# Altium PCB DIOT_Backplane.pcbdoc (part 9 of 11)
Units mm, origin at the board's own origin, x right, y up, seen from the top; angles counter-clockwise.
Board outline 304.8 x 128.5 mm, 14 copper layers (Top Layer, L2, L3GND, L4, L5GND, L6, L7GND, L8, L9GND, L10, L11GND, L12, L13GND, Bottom Layer), stack 4.06 mm thick; 141 components, 1224 nets, 5318 pads, 471 vias.
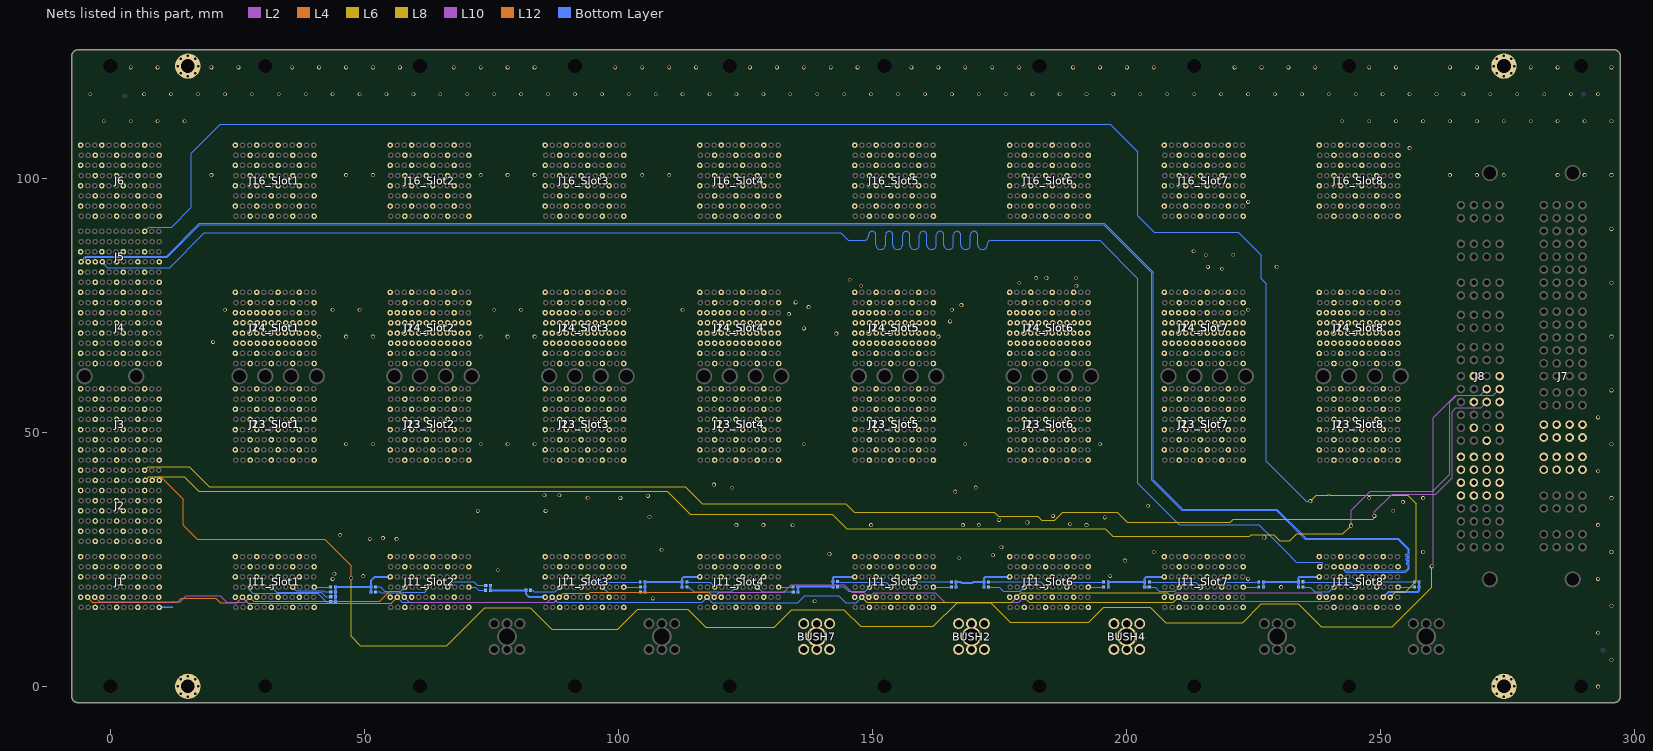
[diagram p21: the nets of this part, all layers, seen from the top]

## Via types
v1: diameter 0.75, hole 0.5, Top Layer to Bottom Layer, tented both sides, 429 vias
v2: diameter 0.85, hole 0.5, Top Layer to Bottom Layer, tented both sides, 32 vias
v3: diameter 1.3, hole 1, Top Layer to Bottom Layer, tented both sides, 10 vias

## Nets (pads, with @x,y where several pads share a name; then routed paths per layer and width w, separated by ;. In a path a pad name is that pad's centre, name@x,y a point inside that pad or via, vN(x,y) a via of type N, cw(c..) or ccw(c..) an arc to the next point about the centre after c; other vN are vias at no path point) (continued)
8_MGT_Rx_P: J5.D3 J11_Slot8.A5 | length 334.1
  Bottom Layer w0.15: J5.D3@-1.58,83.55 -1.006,82.976 -1.006,82.765 -0.667,82.426 11.171,82.426 11.668,82.426 18.486,89.244 143.809,89.244 145.28,87.773 148.077,87.773 148.277,87.773 ccw(c148.277,88.735) 149.239,88.735 149.239,88.841 cw(c149.949,88.841) 149.949,89.551 cw(c149.949,88.841) 150.659,88.841 150.659,86.957 ccw(c151.621,86.957) 151.621,85.995 ccw(c151.621,86.957) 152.582,86.957 152.582,88.841 cw(c153.292,88.841) 153.292,89.551 cw(c153.292,88.841) 154.002,88.841 154.002,86.957 ccw(c154.964,86.957) 154.964,85.995 ccw(c154.964,86.957) 155.925,86.957 155.925,88.841 cw(c156.635,88.841) 156.635,89.551 cw(c156.635,88.841) 157.345,88.841 157.345,86.957 ccw(c158.307,86.957) 158.307,85.995 ccw(c158.307,86.957) 159.269,86.957 159.269,88.841 cw(c159.979,88.841) 159.979,89.551 cw(c159.979,88.841) 160.689,88.841 160.689,86.957 ccw(c161.65,86.957) 161.65,85.995 ccw(c161.65,86.957) 162.612,86.957 162.612,88.841 cw(c163.322,88.841) 163.322,89.551 cw(c163.322,88.841) 164.032,88.841 164.032,86.957 ccw(c164.993,86.957) 164.993,85.995 ccw(c164.993,86.957) 165.955,86.957 165.955,88.841 cw(c166.665,88.841) 166.665,89.551 cw(c166.665,88.841) 167.375,88.841 167.375,86.957 ccw(c168.337,86.957) 168.337,85.995 ccw(c168.337,86.957) 169.298,86.957 169.298,88.841 cw(c170.008,88.841) 170.008,89.551 cw(c170.008,88.841) 170.718,88.841 170.718,86.957 ccw(c171.68,86.957) 171.68,85.995 ccw(c171.68,86.957) 172.641,86.957 172.641,87.063 cw(c173.351,87.063) 173.351,87.773 174.721,87.773 194.741,87.773 202.268,80.246 202.268,39.946 210.376,31.838 226.095,31.838 228.674,29.259 231.23,26.703 ; 231.23,26.703 233.47,24.463 238.474,24.463 238.634,24.303 238.634,24.124 J11_Slot8.A5@238.06,23.55
8_MGT_Tx_N: J5.B3 J11_Slot8.E5 | length 333.4
  Bottom Layer w0.15: J5.B3@-4.38,83.55 -4.954,84.124 -4.954,84.283 -4.779,84.458 11.118,84.458 11.222,84.458 17.633,90.87 195.545,90.87 204.998,81.416 204.998,40.572 210.937,34.633 211.041,34.633 229.524,34.632 234.786,29.37 235.237,28.919 253.436,28.919 255.442,26.912 255.442,26.712 255.442,26.233 cw(c255.24,26.233) 255.24,26.031 255.111,26.031 ccw(c255.111,25.829) 254.909,25.829 ccw(c255.111,25.829) 255.111,25.627 255.24,25.627 cw(c255.24,25.425) 255.442,25.425 cw(c255.24,25.425) 255.24,25.223 255.212,25.223 ccw(c255.212,25.021) 255.01,25.021 ccw(c255.212,25.021) 255.212,24.819 255.24,24.819 cw(c255.24,24.617) 255.442,24.617 cw(c255.24,24.617) 255.24,24.415 ccw(c255.24,24.213) 255.038,24.213 ccw(c255.24,24.213) 255.24,24.011 cw(c255.24,23.809) 255.442,23.809 255.442,23.404 255.442,23.255 254.919,22.731 243.279,22.731 243.122,22.888 243.122,23.012 J11_Slot8.E5@243.66,23.55
8_MGT_Tx_P: J5.A3 J11_Slot8.D5 | length 333.4
  Bottom Layer w0.15: J5.A3@-5.78,83.55 -5.206,84.124 -5.206,84.387 -4.884,84.71 11.118,84.71 17.529,91.121 195.649,91.121 205.25,81.52 205.25,40.676 211.042,34.884 229.628,34.884 234.891,29.622 235.342,29.171 253.54,29.171 255.694,27.017 255.694,26.712 255.694,24.017 255.694,23.151 255.023,22.48 243.175,22.48 242.871,22.784 242.871,22.939 J11_Slot8.D5@242.26,23.55
8_SERVMOD: J5.J6 J11_Slot8.K2 | length 349.5
  L8 w0.102: v1(236.211,36.461) 237.4,37.65 239.585,37.65 239.604,37.669 240.042,37.669 240.061,37.65 255.347,37.65 257.068,35.929 257.068,20.715 254.985,18.632 253.042,18.632 J11_Slot8.K2@251.96,17.55
  Bottom Layer w0.102: J5.J6@6.72,89.55 7.582,90.412 12.042,90.412 15.895,94.265 15.895,104.925 21.62,110.65 196.85,110.65 202.217,105.284 202.217,92.653 205.52,89.35 222.02,89.35 226.52,84.85 226.52,80.244 227.522,79.243 227.522,44.318 235.427,36.412 236.162,36.412 v1(236.211,36.461)
F_IO0: J2.K7 J8.B2 | length 346.8
  L10 w0.102: v1(260.065,23.61) 260.42,23.965 260.42,52.886 264.82,57.286 269.696,57.286 J8.B2@270.93,58.52
  L12 w0.102: J2.K7@8.22,40.55 8.923,41.253 9.911,41.253 11.9,39.264 14.32,36.844 14.32,31.688 17.089,28.919 42.201,28.919 47.391,23.729 v1(47.391,21.324)
  L6 w0.102: v1(47.391,21.324) 47.391,9.844 49.211,8.024 66.19,8.024 73.64,15.474 82.598,15.474 86.848,11.224 99.845,11.224 103.79,15.169 113.637,15.169 117.15,11.656 130.68,11.656 134.117,15.093 144.396,15.093 147.706,11.783 161.973,11.783 166.655,16.464 173.327,16.464 177.17,12.621 192.58,12.621 195.56,15.601 204.696,15.601 207.752,12.545 222.882,12.545 226.548,16.21 233.855,16.21 238.308,11.757 252.346,11.757 260.065,19.476 v1(260.065,23.61)
F_IO1: J2.J8 J8.B3 | length 288.4
  L2 w0.102: v1(248.82,33.55) 248.82,34.35 252.32,37.85 260.92,37.85 264.12,41.05 264.12,54.05 264.87,54.8 269.75,54.8 J8.B3@270.93,55.98
  L6 w0.102: J2.J8@6.72,42.55 7.423,43.253 15.517,43.253 19.495,39.275 113.195,39.275 116.52,35.95 144.72,35.95 146.42,34.25 174.02,34.25 174.82,33.45 182.52,33.45 183.293,32.677 185.847,32.677 187.42,34.25 198.22,34.25 200.12,32.35 220.42,32.35 220.992,32.922 248.549,32.922 248.696,33.069 248.696,33.426 v1(248.82,33.55)
F_RST: J2.J7 J8.A2 | length 294.8
  L2 w0.102: v1(244.22,31.65) 244.22,34.65 248.02,38.45 260.32,38.45 263.62,41.75 263.62,55.9 265.02,57.3 272.25,57.3 J8.A2@273.47,58.52
  L6 w0.102: J2.J7@6.82,40.55 7.523,41.253 14.516,41.253 17.395,38.374 109.596,38.374 114.12,33.85 142.12,33.85 144.92,31.05 195.82,31.05 197.32,29.55 224.32,29.55 224.598,29.828 228.962,29.828 230.14,28.65 232.14,28.65 233.54,30.05 242.62,30.05 v1(244.22,31.65)
"GA0_Peripheral Slot 1": C1.2 J11_Slot1.C3 | length 17.5
  Bottom Layer w0.102: J11_Slot1.C3@27.5,19.55 27.5,18.772 27.973,18.299 40.863,18.299 42.489,16.673 C1.2@43.385,16.673
"GA0_Peripheral Slot 2": J11_Slot2.C3 R2.2 | length 6.5
  Bottom Layer w0.102: R2.2@52.204,19.569 53.157,19.569 53.995,18.731 57.161,18.731 J11_Slot2.C3@57.98,19.55
"GA0_Peripheral Slot 3": C9.2 J11_Slot3.C3 | length 7.1
  Bottom Layer w0.102: C9.2@82.69,18.909 83.102,18.909 83.361,18.649 85.598,18.649 ; 84.785,18.649 85.598,18.649 ; J11_Slot3.C3@88.46,19.55 87.559,18.649 85.598,18.649
"GA0_Peripheral Slot 4": J11_Slot4.C3 R6.2 | length 5.9
  Bottom Layer w0.102: R6.2@113.482,20.534 113.874,20.534 113.957,20.451 118.039,20.451 J11_Slot4.C3@118.94,19.55
"GA0_Peripheral Slot 5": C4.1 J11_Slot5.C3 | length 7
  Bottom Layer w0.102: C4.1@143.122,19.62 144.381,19.62 145.295,18.705 148.575,18.705 J11_Slot5.C3@149.42,19.55
"GA0_Peripheral Slot 6": J11_Slot6.C3 R11.1 | length 7.7
  Bottom Layer w0.102: R11.1@172.893,19.527 174.992,19.527 175.788,18.731 179.081,18.731 J11_Slot6.C3@179.9,19.55
"GA0_Peripheral Slot 7": C10.1 J11_Slot7.C3 | length 6.6
  Bottom Layer w0.102: C10.1@204.502,19.527 205.65,19.527 206.471,18.705 209.535,18.705 J11_Slot7.C3@210.38,19.55
"GA0_Peripheral Slot 8": J11_Slot8.C3 R17.1 | length 6.8
  Bottom Layer w0.102: R17.1@234.78,19.556 236.215,19.556 237.122,18.649 239.959,18.649 J11_Slot8.C3@240.86,19.55
"GA1_Peripheral Slot 1": C2.2 J11_Slot1.F3 | length 12.5
  Bottom Layer w0.102: J11_Slot1.F3@31.7,19.55 32.697,18.553 41.524,18.553 42.438,17.639 C2.2@43.385,17.639
"GA1_Peripheral Slot 2": C7.2 J11_Slot2.F3 | length 11
  Bottom Layer w0.102: C7.2@52.184,18.578 53.106,18.578 53.233,18.451 57.601,18.451 57.653,18.503 61.911,18.503 62.18,18.772 J11_Slot2.F3@62.18,19.55
"GA1_Peripheral Slot 3": J11_Slot3.F3 R4.2 | length 12
  Bottom Layer w0.102: J11_Slot3.F3@92.66,19.55 93.644,20.534 R4.2@104.3,20.534
"GA1_Peripheral Slot 4": J11_Slot4.F3 R7.2 | length 10.4
  Bottom Layer w0.102: R7.2@113.482,19.544 113.874,19.544 114.801,18.617 122.206,18.617 J11_Slot4.F3@123.14,19.55
"GA1_Peripheral Slot 5": C5.1 J11_Slot5.F3 | length 10.9
  Bottom Layer w0.102: C5.1@143.116,20.623 143.528,20.623 143.701,20.451 152.719,20.451 J11_Slot5.F3@153.62,19.55
"GA1_Peripheral Slot 6": C6.1 J11_Slot6.F3 | length 11.6
  Bottom Layer w0.102: C6.1@172.872,20.547 183.103,20.547 J11_Slot6.F3@184.1,19.55
"GA1_Peripheral Slot 7": J11_Slot7.F3 R14.1 | length 10.5
  Bottom Layer w0.102: R14.1@204.528,20.534 204.92,20.534 205.003,20.451 213.679,20.451 J11_Slot7.F3@214.58,19.55
"GA1_Peripheral Slot 8": J11_Slot8.F3 R18.1 | length 10.7
  Bottom Layer w0.102: R18.1@234.78,20.585 234.856,20.509 244.101,20.509 J11_Slot8.F3@245.06,19.55
"GA2_Peripheral Slot 1": C3.2 J11_Slot1.I3 | length 7.9
  Bottom Layer w0.102: J11_Slot1.I3@35.9,19.55 36.626,18.824 41.888,18.824 42.108,18.604 C3.2@43.385,18.604
"GA2_Peripheral Slot 2": C8.2 J11_Slot2.I3 | length 8.2
  Bottom Layer w0.102: J11_Slot2.I3@66.38,19.55 67.39,20.56 71.496,20.56 72.181,19.874 C8.2@73.89,19.874
"GA2_Peripheral Slot 3": C11.2 J11_Slot3.I3 | length 7.9
  Bottom Layer w0.102: J11_Slot3.I3@96.86,19.55 97.857,18.553 C11.2@104.32,18.553
"GA2_Peripheral Slot 4": C12.2 J11_Slot4.I3 | length 7.5
  Bottom Layer w0.102: J11_Slot4.I3@127.34,19.55 128.312,18.578 C12.2@134.419,18.578
"GA2_Peripheral Slot 5": J11_Slot5.I3 R9.1 | length 8.1
  Bottom Layer w0.102: J11_Slot5.I3@157.82,19.55 158.817,20.547 R9.1@165.526,20.547
"GA2_Peripheral Slot 6": J11_Slot6.I3 R12.1 | length 7.6
  Bottom Layer w0.102: J11_Slot6.I3@188.3,19.55 189.259,20.509 R12.1@195.486,20.509
"GA2_Peripheral Slot 7": J11_Slot7.I3 R15.1 | length 7.7
  Bottom Layer w0.102: J11_Slot7.I3@218.78,19.55 219.764,20.534 R15.1@226.055,20.534
"GA2_Peripheral Slot 8": J11_Slot8.I3 R19.1 | length 7.8
  Bottom Layer w0.102: J11_Slot8.I3@249.26,19.55 250.27,20.56 R19.1@256.674,20.56
"GA3_Peripheral Slot 1": J11_Slot1.L3 R1.2 | length 3.3
  Bottom Layer w0.102: J11_Slot1.L3@40.1,19.55 43.346,19.55 R1.2@43.365,19.569
"GA3_Peripheral Slot 2": J11_Slot2.L3 R3.2 | length 3.7
  Bottom Layer w0.102: J11_Slot2.L3@70.58,19.55 71.184,19.55 ; 71.358,19.55 71.184,19.55 ; R3.2@73.87,18.909 72.461,18.909 71.819,19.55 71.184,19.55
"GA3_Peripheral Slot 3": J11_Slot3.L3 R5.2 | length 3.3
  Bottom Layer w0.102: J11_Slot3.L3@101.06,19.55 104.306,19.55 R5.2@104.312,19.544
"GA3_Peripheral Slot 4": J11_Slot4.L3 R8.2 | length 2.9
  Bottom Layer w0.102: J11_Slot4.L3@131.54,19.55 134.392,19.55 R8.2@134.399,19.544
"GA3_Peripheral Slot 5": J11_Slot5.L3 R10.1 | length 3.5
  Bottom Layer w0.102: J11_Slot5.L3@162.02,19.55 165.52,19.55 R10.1@165.526,19.544
"GA3_Peripheral Slot 6": J11_Slot6.L3 R13.1 | length 3
  Bottom Layer w0.102: J11_Slot6.L3@192.5,19.55 195.47,19.55 R13.1@195.485,19.535
"GA3_Peripheral Slot 7": J11_Slot7.L3 R16.1 | length 3.1
  Bottom Layer w0.102: J11_Slot7.L3@222.98,19.55 222.983,19.547 R16.1@226.054,19.547
"GA3_Peripheral Slot 8": J11_Slot8.L3 R20.1 | length 3.2
  Bottom Layer w0.102: J11_Slot8.L3@253.46,19.55 256.651,19.55 R20.1@256.673,19.573
GND: B1.1 B2.1 B3.1 B4.1 BUSH2.1 BUSH4.1 BUSH7.1 C1.1 C2.1 C3.1 C4.2 C5.2 C6.2 C7.1 C8.1 C9.1 C10.2 C11.1 C12.1 J1.A2 J1.A4 J1.A6 J1.C1 J1.C5 J1.D2 J1.D4 J1.D6 J1.F1 J1.F5 J1.G2 J1.G4 J1.G6 J1.I1 J1.I3 J1.I5 J1.J2 J1.J4 J1.J6 J1.L1 J1.L2 J1.L3 J1.L5 J2.A2 J2.A4 J2.A6 J2.A8 J2.C1 J2.C3 J2.C5 J2.C7 J2.D2 J2.D4 J2.D6 J2.D8 J2.F1 J2.F3 J2.F5 J2.F7 J2.G2 J2.G4 J2.G6 J2.G8 J2.I1 J2.I3 J2.I5 J2.I7 J2.J2 J2.J4 J2.J6 J2.L1 J2.L3 J2.L5 J2.L7 J3.A2 J3.A4 J3.A6 J3.A8 J3.C1 J3.C3 J3.C5 J3.C7 J3.D2 J3.D4 J3.D6 J3.D8 J3.F1 J3.F3 J3.F5 J3.F7 J3.G2 J3.G4 J3.G6 J3.G8 J3.I1 J3.I3 J3.I5 J3.I7 J3.J2 J3.J4 J3.J6 J3.J8 J3.L1 J3.L3 J3.L5 J3.L7 J4.A2 J4.A4 J4.A6 J4.A8 J4.C1 J4.C3 J4.C5 J4.C7 J4.D2 J4.D4 J4.D6 J4.D8 J4.F1 J4.F3 J4.F5 J4.F7 J4.G2 J4.G4 J4.G6 J4.G8 J4.I1 J4.I3 J4.I5 J4.I7 J4.J2 J4.J4 J4.J6 J4.J8 J4.L1 J4.L3 J4.L5 J4.L7 J5.A2 J5.A4 J5.C1 J5.C3 J5.D2 J5.D4 J5.F1 J5.F3 J5.G2 J5.G4 J5.I1 J5.I3 J5.J2 J5.J4 J5.L1 J5.L3 J6.A2 J6.A4 J6.A6 J6.A8 J6.C1 J6.C3 J6.C5 J6.C7 J6.D2 J6.D4 J6.D6 J6.D8 J6.F1 J6.F3 J6.F5 J6.F7 J6.G2 J6.G4 J6.G6 J6.G8 J6.I1 J6.I3 J6.I5 J6.I7 J6.J2 J6.J4 J6.J6 J6.J8 J6.L1 J6.L3 J6.L5 J6.L7 J7.P3 J7.P4 J8.A1 J8.A3 J8.A5 J8.B6 J8.C1 J8.C3 J8.C5 J8.P6 J8.P7 J11_Slot1.A2 J11_Slot1.A4 J11_Slot1.A6 J11_Slot1.C1 J11_Slot1.C5 J11_Slot1.D2 J11_Slot1.D4 J11_Slot1.D6 J11_Slot1.F1 J11_Slot1.F5 J11_Slot1.G2 J11_Slot1.G4 J11_Slot1.G6 J11_Slot1.I1 J11_Slot1.I5 J11_Slot1.J2 J11_Slot1.J4 J11_Slot1.J6 J11_Slot1.L1 J11_Slot1.L5 J11_Slot2.A2 J11_Slot2.A4 J11_Slot2.A6 J11_Slot2.C1 J11_Slot2.C5 J11_Slot2.D2 J11_Slot2.D4 J11_Slot2.D6 J11_Slot2.F1 J11_Slot2.F5 J11_Slot2.G2 J11_Slot2.G4 J11_Slot2.G6 J11_Slot2.I1 J11_Slot2.I5 J11_Slot2.J2 J11_Slot2.J4 J11_Slot2.J6 J11_Slot2.L1 J11_Slot2.L5 J11_Slot3.A2 J11_Slot3.A4 J11_Slot3.A6 J11_Slot3.C1 J11_Slot3.C5 J11_Slot3.D2 J11_Slot3.D4 J11_Slot3.D6 J11_Slot3.F1 J11_Slot3.F5 J11_Slot3.G2 J11_Slot3.G4 J11_Slot3.G6 J11_Slot3.I1 J11_Slot3.I5 J11_Slot3.J2 J11_Slot3.J4 J11_Slot3.J6 J11_Slot3.L1 J11_Slot3.L5 J11_Slot4.A2 J11_Slot4.A4 J11_Slot4.A6 J11_Slot4.C1 J11_Slot4.C5 J11_Slot4.D2 J11_Slot4.D4 J11_Slot4.D6 J11_Slot4.F1 J11_Slot4.F5 J11_Slot4.G2 J11_Slot4.G4 J11_Slot4.G6 J11_Slot4.I1 J11_Slot4.I5 J11_Slot4.J2 J11_Slot4.J4 J11_Slot4.J6 J11_Slot4.L1 J11_Slot4.L5 J11_Slot5.A2 J11_Slot5.A4 J11_Slot5.A6 J11_Slot5.C1 J11_Slot5.C5 J11_Slot5.D2 J11_Slot5.D4 J11_Slot5.D6 J11_Slot5.F1 J11_Slot5.F5 J11_Slot5.G2 J11_Slot5.G4 J11_Slot5.G6 J11_Slot5.I1 J11_Slot5.I5 J11_Slot5.J2 J11_Slot5.J4 J11_Slot5.J6 J11_Slot5.L1 J11_Slot5.L5 J11_Slot6.A2 J11_Slot6.A4 J11_Slot6.A6 J11_Slot6.C1 J11_Slot6.C5 J11_Slot6.D2 J11_Slot6.D4 J11_Slot6.D6 J11_Slot6.F1 J11_Slot6.F5 J11_Slot6.G2 J11_Slot6.G4 J11_Slot6.G6 J11_Slot6.I1 J11_Slot6.I5 J11_Slot6.J2 J11_Slot6.J4 J11_Slot6.J6 J11_Slot6.L1 J11_Slot6.L5 J11_Slot7.A2 J11_Slot7.A4 J11_Slot7.A6 J11_Slot7.C1 J11_Slot7.C5 J11_Slot7.D2 J11_Slot7.D4 J11_Slot7.D6 J11_Slot7.F1 J11_Slot7.F5 J11_Slot7.G2 J11_Slot7.G4 J11_Slot7.G6 J11_Slot7.I1 J11_Slot7.I5 J11_Slot7.J2 J11_Slot7.J4 J11_Slot7.J6 J11_Slot7.L1 J11_Slot7.L5 J11_Slot8.A2 J11_Slot8.A4 J11_Slot8.A6 J11_Slot8.C1 J11_Slot8.C5 J11_Slot8.D2 J11_Slot8.D4 J11_Slot8.D6 J11_Slot8.F1 J11_Slot8.F5 J11_Slot8.G2 J11_Slot8.G4 J11_Slot8.G6 J11_Slot8.I1 J11_Slot8.I5 J11_Slot8.J2 J11_Slot8.J4 J11_Slot8.J6 J11_Slot8.L1 J11_Slot8.L5 J13_Slot1.A2 J13_Slot1.A4 J13_Slot1.A6 J13_Slot1.A8 J13_Slot1.C1 J13_Slot1.C3 J13_Slot1.C5 J13_Slot1.C7 J13_Slot1.D2 J13_Slot1.D4 J13_Slot1.D6 J13_Slot1.D8 J13_Slot1.F1 J13_Slot1.F3 J13_Slot1.F5 J13_Slot1.F7 J13_Slot1.G2 J13_Slot1.G4 J13_Slot1.G6 J13_Slot1.G8 J13_Slot1.I1 J13_Slot1.I3 J13_Slot1.I5 J13_Slot1.I7 J13_Slot1.J2 J13_Slot1.J4 J13_Slot1.J6 J13_Slot1.J8 J13_Slot1.L1 J13_Slot1.L3 J13_Slot1.L5 J13_Slot1.L7 J13_Slot2.A2 J13_Slot2.A4 J13_Slot2.A6 J13_Slot2.A8 J13_Slot2.C1 J13_Slot2.C3 J13_Slot2.C5 J13_Slot2.C7 J13_Slot2.D2 J13_Slot2.D4 J13_Slot2.D6 J13_Slot2.D8 J13_Slot2.F1 J13_Slot2.F3 J13_Slot2.F5 J13_Slot2.F7 J13_Slot2.G2 J13_Slot2.G4 J13_Slot2.G6 J13_Slot2.G8 J13_Slot2.I1 J13_Slot2.I3 J13_Slot2.I5 J13_Slot2.I7 J13_Slot2.J2 J13_Slot2.J4 J13_Slot2.J6 J13_Slot2.J8 J13_Slot2.L1 J13_Slot2.L3 J13_Slot2.L5 J13_Slot2.L7 J13_Slot3.A2 J13_Slot3.A4 J13_Slot3.A6 J13_Slot3.A8 J13_Slot3.C1 J13_Slot3.C3 J13_Slot3.C5 J13_Slot3.C7 J13_Slot3.D2 J13_Slot3.D4 J13_Slot3.D6 J13_Slot3.D8 J13_Slot3.F1 J13_Slot3.F3 J13_Slot3.F5 J13_Slot3.F7 J13_Slot3.G2 J13_Slot3.G4 J13_Slot3.G6 J13_Slot3.G8 J13_Slot3.I1 J13_Slot3.I3 J13_Slot3.I5 J13_Slot3.I7 J13_Slot3.J2 J13_Slot3.J4 J13_Slot3.J6 J13_Slot3.J8 J13_Slot3.L1 J13_Slot3.L3 J13_Slot3.L5 J13_Slot3.L7 J13_Slot4.A2 J13_Slot4.A4 J13_Slot4.A6 J13_Slot4.A8 J13_Slot4.C1 J13_Slot4.C3 J13_Slot4.C5 J13_Slot4.C7 J13_Slot4.D2 J13_Slot4.D4 J13_Slot4.D6 J13_Slot4.D8 J13_Slot4.F1 J13_Slot4.F3 J13_Slot4.F5 J13_Slot4.F7 J13_Slot4.G2 J13_Slot4.G4 J13_Slot4.G6 J13_Slot4.G8 J13_Slot4.I1 J13_Slot4.I3 J13_Slot4.I5 J13_Slot4.I7 J13_Slot4.J2 J13_Slot4.J4 J13_Slot4.J6 J13_Slot4.J8 J13_Slot4.L1 J13_Slot4.L3 J13_Slot4.L5 J13_Slot4.L7 J13_Slot5.A2 J13_Slot5.A4 J13_Slot5.A6 J13_Slot5.A8 J13_Slot5.C1 J13_Slot5.C3 J13_Slot5.C5 J13_Slot5.C7 J13_Slot5.D2 J13_Slot5.D4 J13_Slot5.D6 J13_Slot5.D8 J13_Slot5.F1 J13_Slot5.F3 J13_Slot5.F5 J13_Slot5.F7 J13_Slot5.G2 J13_Slot5.G4 J13_Slot5.G6 J13_Slot5.G8 J13_Slot5.I1 J13_Slot5.I3 J13_Slot5.I5 J13_Slot5.I7 J13_Slot5.J2 J13_Slot5.J4 J13_Slot5.J6 J13_Slot5.J8 J13_Slot5.L1 J13_Slot5.L3 J13_Slot5.L5 J13_Slot5.L7 J13_Slot6.A2 J13_Slot6.A4 J13_Slot6.A6 J13_Slot6.A8 J13_Slot6.C1 J13_Slot6.C3 J13_Slot6.C5 J13_Slot6.C7 J13_Slot6.D2 J13_Slot6.D4 J13_Slot6.D6 J13_Slot6.D8 J13_Slot6.F1 J13_Slot6.F3 J13_Slot6.F5 J13_Slot6.F7 J13_Slot6.G2 J13_Slot6.G4 J13_Slot6.G6 J13_Slot6.G8 J13_Slot6.I1 J13_Slot6.I3 J13_Slot6.I5 J13_Slot6.I7 J13_Slot6.J2 J13_Slot6.J4 J13_Slot6.J6 J13_Slot6.J8 J13_Slot6.L1 J13_Slot6.L3 J13_Slot6.L5 J13_Slot6.L7 J13_Slot7.A2 J13_Slot7.A4 J13_Slot7.A6 J13_Slot7.A8 J13_Slot7.C1 J13_Slot7.C3 J13_Slot7.C5 J13_Slot7.C7 J13_Slot7.D2 J13_Slot7.D4 J13_Slot7.D6 J13_Slot7.D8 J13_Slot7.F1 J13_Slot7.F3 J13_Slot7.F5 J13_Slot7.F7 J13_Slot7.G2 J13_Slot7.G4 J13_Slot7.G6 J13_Slot7.G8 J13_Slot7.I1 J13_Slot7.I3 J13_Slot7.I5 J13_Slot7.I7 J13_Slot7.J2 J13_Slot7.J4 J13_Slot7.J6 J13_Slot7.J8 J13_Slot7.L1 J13_Slot7.L3 J13_Slot7.L5 J13_Slot7.L7 J13_Slot8.A2 J13_Slot8.A4 J13_Slot8.A6 J13_Slot8.A8 J13_Slot8.C1 J13_Slot8.C3 J13_Slot8.C5 J13_Slot8.C7 J13_Slot8.D2 J13_Slot8.D4 J13_Slot8.D6 J13_Slot8.D8 J13_Slot8.F1 J13_Slot8.F3 J13_Slot8.F5 J13_Slot8.F7 J13_Slot8.G2 J13_Slot8.G4 J13_Slot8.G6 J13_Slot8.G8 J13_Slot8.I1 J13_Slot8.I3 J13_Slot8.I5 J13_Slot8.I7 J13_Slot8.J2 J13_Slot8.J4 J13_Slot8.J6 J13_Slot8.J8 J13_Slot8.L1 J13_Slot8.L3 J13_Slot8.L5 J13_Slot8.L7 J14_Slot1.A2 J14_Slot1.A4 J14_Slot1.A6 J14_Slot1.A8 J14_Slot1.C1 J14_Slot1.C3 J14_Slot1.C5 J14_Slot1.C7 J14_Slot1.D2 J14_Slot1.D4 J14_Slot1.D6 J14_Slot1.D8 J14_Slot1.F1 J14_Slot1.F3 J14_Slot1.F5 J14_Slot1.F7 J14_Slot1.G2 J14_Slot1.G4 J14_Slot1.G6 J14_Slot1.G8 J14_Slot1.I1 J14_Slot1.I3 J14_Slot1.I5 J14_Slot1.I7 J14_Slot1.J2 J14_Slot1.J4 J14_Slot1.J6 J14_Slot1.J8 J14_Slot1.L1 J14_Slot1.L3 J14_Slot1.L5 J14_Slot1.L7 J14_Slot2.A2 J14_Slot2.A4 J14_Slot2.A6 J14_Slot2.A8 J14_Slot2.C1 J14_Slot2.C3 J14_Slot2.C5 J14_Slot2.C7 J14_Slot2.D2 J14_Slot2.D4 J14_Slot2.D6 J14_Slot2.D8 J14_Slot2.F1 J14_Slot2.F3 J14_Slot2.F5 J14_Slot2.F7 J14_Slot2.G2 J14_Slot2.G4 J14_Slot2.G6 J14_Slot2.G8 J14_Slot2.I1 J14_Slot2.I3 J14_Slot2.I5 J14_Slot2.I7 J14_Slot2.J2 J14_Slot2.J4 J14_Slot2.J6 J14_Slot2.J8 J14_Slot2.L1 J14_Slot2.L3 J14_Slot2.L5 J14_Slot2.L7 J14_Slot3.A2 J14_Slot3.A4 J14_Slot3.A6 J14_Slot3.A8 J14_Slot3.C1 J14_Slot3.C3 J14_Slot3.C5 J14_Slot3.C7 J14_Slot3.D2 J14_Slot3.D4 J14_Slot3.D6 J14_Slot3.D8 J14_Slot3.F1 J14_Slot3.F3 J14_Slot3.F5 J14_Slot3.F7 J14_Slot3.G2 J14_Slot3.G4 J14_Slot3.G6 J14_Slot3.G8 J14_Slot3.I1 J14_Slot3.I3 J14_Slot3.I5 J14_Slot3.I7 J14_Slot3.J2 J14_Slot3.J4 J14_Slot3.J6 J14_Slot3.J8 J14_Slot3.L1 J14_Slot3.L3 J14_Slot3.L5 J14_Slot3.L7 J14_Slot4.A2 J14_Slot4.A4 J14_Slot4.A6 J14_Slot4.A8 J14_Slot4.C1 J14_Slot4.C3 J14_Slot4.C5 J14_Slot4.C7 J14_Slot4.D2 J14_Slot4.D4 J14_Slot4.D6 J14_Slot4.D8 J14_Slot4.F1 J14_Slot4.F3 J14_Slot4.F5 J14_Slot4.F7 J14_Slot4.G2 J14_Slot4.G4 J14_Slot4.G6 J14_Slot4.G8 J14_Slot4.I1 J14_Slot4.I3 J14_Slot4.I5 J14_Slot4.I7 J14_Slot4.J2 J14_Slot4.J4 J14_Slot4.J6 J14_Slot4.J8 J14_Slot4.L1 J14_Slot4.L3 J14_Slot4.L5 J14_Slot4.L7 J14_Slot5.A2 J14_Slot5.A4 J14_Slot5.A6 J14_Slot5.A8 J14_Slot5.C1 J14_Slot5.C3 J14_Slot5.C5 J14_Slot5.C7 J14_Slot5.D2 J14_Slot5.D4 J14_Slot5.D6 J14_Slot5.D8 J14_Slot5.F1 J14_Slot5.F3 J14_Slot5.F5 J14_Slot5.F7 J14_Slot5.G2 J14_Slot5.G4 J14_Slot5.G6 J14_Slot5.G8 J14_Slot5.I1 J14_Slot5.I3 J14_Slot5.I5 J14_Slot5.I7 J14_Slot5.J2 J14_Slot5.J4 J14_Slot5.J6 J14_Slot5.J8 J14_Slot5.L1 J14_Slot5.L3 J14_Slot5.L5 J14_Slot5.L7 J14_Slot6.A2 J14_Slot6.A4 J14_Slot6.A6 J14_Slot6.A8 J14_Slot6.C1 J14_Slot6.C3 J14_Slot6.C5 J14_Slot6.C7 J14_Slot6.D2 J14_Slot6.D4 J14_Slot6.D6 J14_Slot6.D8 J14_Slot6.F1 J14_Slot6.F3 J14_Slot6.F5 J14_Slot6.F7 J14_Slot6.G2 J14_Slot6.G4 J14_Slot6.G6 J14_Slot6.G8 J14_Slot6.I1 J14_Slot6.I3 J14_Slot6.I5 J14_Slot6.I7 J14_Slot6.J2 J14_Slot6.J4 J14_Slot6.J6 J14_Slot6.J8 J14_Slot6.L1 J14_Slot6.L3 J14_Slot6.L5 J14_Slot6.L7 J14_Slot7.A2 J14_Slot7.A4 J14_Slot7.A6 J14_Slot7.A8 J14_Slot7.C1 J14_Slot7.C3 J14_Slot7.C5 J14_Slot7.C7 J14_Slot7.D2 J14_Slot7.D4 J14_Slot7.D6 J14_Slot7.D8 J14_Slot7.F1 J14_Slot7.F3 J14_Slot7.F5 J14_Slot7.F7 J14_Slot7.G2 J14_Slot7.G4 J14_Slot7.G6 J14_Slot7.G8 J14_Slot7.I1 J14_Slot7.I3 J14_Slot7.I5 J14_Slot7.I7 J14_Slot7.J2 J14_Slot7.J4 J14_Slot7.J6 J14_Slot7.J8 J14_Slot7.L1 J14_Slot7.L3 J14_Slot7.L5 J14_Slot7.L7 J14_Slot8.A2 J14_Slot8.A4 J14_Slot8.A6 J14_Slot8.A8 J14_Slot8.C1 J14_Slot8.C3 J14_Slot8.C5 J14_Slot8.C7 J14_Slot8.D2 J14_Slot8.D4 J14_Slot8.D6 J14_Slot8.D8 J14_Slot8.F1 J14_Slot8.F3 J14_Slot8.F5 J14_Slot8.F7 J14_Slot8.G2 J14_Slot8.G4 J14_Slot8.G6 J14_Slot8.G8 J14_Slot8.I1 J14_Slot8.I3 J14_Slot8.I5 J14_Slot8.I7 J14_Slot8.J2 J14_Slot8.J4 J14_Slot8.J6 J14_Slot8.J8 J14_Slot8.L1 J14_Slot8.L3 J14_Slot8.L5 J14_Slot8.L7 J16_Slot1.A2 J16_Slot1.A4 J16_Slot1.A6 J16_Slot1.A8 J16_Slot1.C1 J16_Slot1.C3 J16_Slot1.C5 J16_Slot1.C7 J16_Slot1.D2 J16_Slot1.D4 J16_Slot1.D6 J16_Slot1.D8 J16_Slot1.F1 J16_Slot1.F3 J16_Slot1.F5 J16_Slot1.F7 J16_Slot1.G2 J16_Slot1.G4 J16_Slot1.G6 J16_Slot1.G8 J16_Slot1.I1 J16_Slot1.I3 J16_Slot1.I5 J16_Slot1.I7 J16_Slot1.J2 J16_Slot1.J4 J16_Slot1.J6 J16_Slot1.J8 J16_Slot1.L1 J16_Slot1.L3 J16_Slot1.L5 J16_Slot1.L7 J16_Slot2.A2 J16_Slot2.A4 J16_Slot2.A6 J16_Slot2.A8 J16_Slot2.C1 J16_Slot2.C3 J16_Slot2.C5 J16_Slot2.C7 J16_Slot2.D2 J16_Slot2.D4 J16_Slot2.D6 J16_Slot2.D8 J16_Slot2.F1 J16_Slot2.F3 J16_Slot2.F5 J16_Slot2.F7 J16_Slot2.G2 J16_Slot2.G4 J16_Slot2.G6 J16_Slot2.G8 J16_Slot2.I1 J16_Slot2.I3 J16_Slot2.I5 J16_Slot2.I7 J16_Slot2.J2 J16_Slot2.J4 J16_Slot2.J6 J16_Slot2.J8 J16_Slot2.L1 J16_Slot2.L3 J16_Slot2.L5 J16_Slot2.L7 J16_Slot3.A2 J16_Slot3.A4 J16_Slot3.A6 J16_Slot3.A8 J16_Slot3.C1 J16_Slot3.C3 J16_Slot3.C5 J16_Slot3.C7 J16_Slot3.D2 J16_Slot3.D4 J16_Slot3.D6 J16_Slot3.D8 J16_Slot3.F1 J16_Slot3.F3 J16_Slot3.F5 J16_Slot3.F7 J16_Slot3.G2 J16_Slot3.G4 J16_Slot3.G6 J16_Slot3.G8 J16_Slot3.I1 J16_Slot3.I3 J16_Slot3.I5 J16_Slot3.I7 J16_Slot3.J2 J16_Slot3.J4 J16_Slot3.J6 J16_Slot3.J8 J16_Slot3.L1 J16_Slot3.L3 J16_Slot3.L5 J16_Slot3.L7 J16_Slot4.A2 J16_Slot4.A4 J16_Slot4.A6 J16_Slot4.A8 J16_Slot4.C1 J16_Slot4.C3 J16_Slot4.C5 J16_Slot4.C7 J16_Slot4.D2 J16_Slot4.D4 J16_Slot4.D6 J16_Slot4.D8 J16_Slot4.F1 J16_Slot4.F3 J16_Slot4.F5 J16_Slot4.F7 J16_Slot4.G2 J16_Slot4.G4 J16_Slot4.G6 J16_Slot4.G8 J16_Slot4.I1 J16_Slot4.I3 J16_Slot4.I5 J16_Slot4.I7 J16_Slot4.J2 J16_Slot4.J4 J16_Slot4.J6 J16_Slot4.J8 J16_Slot4.L1 J16_Slot4.L3 J16_Slot4.L5 J16_Slot4.L7 J16_Slot5.A2 J16_Slot5.A4 J16_Slot5.A6 J16_Slot5.A8 J16_Slot5.C1 J16_Slot5.C3 J16_Slot5.C5 J16_Slot5.C7 J16_Slot5.D2 J16_Slot5.D4 J16_Slot5.D6 J16_Slot5.D8 J16_Slot5.F1 J16_Slot5.F3 J16_Slot5.F5 J16_Slot5.F7 J16_Slot5.G2 J16_Slot5.G4 J16_Slot5.G6 J16_Slot5.G8 J16_Slot5.I1 J16_Slot5.I3 J16_Slot5.I5 J16_Slot5.I7 J16_Slot5.J2 J16_Slot5.J4 J16_Slot5.J6 J16_Slot5.J8 J16_Slot5.L1 J16_Slot5.L3 J16_Slot5.L5 J16_Slot5.L7 J16_Slot6.A2 J16_Slot6.A4 J16_Slot6.A6 J16_Slot6.A8 J16_Slot6.C1 J16_Slot6.C3 J16_Slot6.C5 J16_Slot6.C7 J16_Slot6.D2 J16_Slot6.D4 J16_Slot6.D6 J16_Slot6.D8 J16_Slot6.F1 J16_Slot6.F3 J16_Slot6.F5 J16_Slot6.F7 J16_Slot6.G2 J16_Slot6.G4 J16_Slot6.G6 J16_Slot6.G8 J16_Slot6.I1 J16_Slot6.I3 J16_Slot6.I5 J16_Slot6.I7 J16_Slot6.J2 J16_Slot6.J4 J16_Slot6.J6 J16_Slot6.J8 J16_Slot6.L1 J16_Slot6.L3 J16_Slot6.L5 J16_Slot6.L7 J16_Slot7.A2 J16_Slot7.A4 J16_Slot7.A6 J16_Slot7.A8 J16_Slot7.C1 J16_Slot7.C3 J16_Slot7.C5 J16_Slot7.C7 J16_Slot7.D2 J16_Slot7.D4 J16_Slot7.D6 J16_Slot7.D8 J16_Slot7.F1 J16_Slot7.F3 J16_Slot7.F5 J16_Slot7.F7 J16_Slot7.G2 J16_Slot7.G4 J16_Slot7.G6 J16_Slot7.G8 J16_Slot7.I1 J16_Slot7.I3 J16_Slot7.I5 J16_Slot7.I7 J16_Slot7.J2 J16_Slot7.J4 J16_Slot7.J6 J16_Slot7.J8 J16_Slot7.L1 J16_Slot7.L3 J16_Slot7.L5 J16_Slot7.L7 J16_Slot8.A2 J16_Slot8.A4 J16_Slot8.A6 J16_Slot8.A8 J16_Slot8.C1 J16_Slot8.C3 J16_Slot8.C5 J16_Slot8.C7 J16_Slot8.D2 J16_Slot8.D4 J16_Slot8.D6 J16_Slot8.D8 J16_Slot8.F1 J16_Slot8.F3 J16_Slot8.F5 J16_Slot8.F7 J16_Slot8.G2 J16_Slot8.G4 J16_Slot8.G6 J16_Slot8.G8 J16_Slot8.I1 J16_Slot8.I3 J16_Slot8.I5 J16_Slot8.I7 J16_Slot8.J2 J16_Slot8.J4 J16_Slot8.J6 J16_Slot8.J8 J16_Slot8.L1 J16_Slot8.L3 J16_Slot8.L5 J16_Slot8.L7 J23_Slot1.A2 J23_Slot1.A4 J23_Slot1.A6 J23_Slot1.A8 J23_Slot1.C1 J23_Slot1.C3 J23_Slot1.C5 J23_Slot1.C7 J23_Slot1.D2 J23_Slot1.D4 J23_Slot1.D6 J23_Slot1.D8 J23_Slot1.F1 J23_Slot1.F3 J23_Slot1.F5 J23_Slot1.F7 J23_Slot1.G2 J23_Slot1.G4 J23_Slot1.G6 J23_Slot1.G8 J23_Slot1.I1 J23_Slot1.I3 J23_Slot1.I5 J23_Slot1.I7 J23_Slot1.J2 J23_Slot1.J4 J23_Slot1.J6 J23_Slot1.J8 J23_Slot1.L1 J23_Slot1.L3 J23_Slot1.L5 J23_Slot1.L7 J23_Slot2.A2 J23_Slot2.A4 J23_Slot2.A6 J23_Slot2.A8 J23_Slot2.C1 J23_Slot2.C3 J23_Slot2.C5 J23_Slot2.C7 J23_Slot2.D2 J23_Slot2.D4 J23_Slot2.D6 J23_Slot2.D8 J23_Slot2.F1 J23_Slot2.F3 J23_Slot2.F5 J23_Slot2.F7 J23_Slot2.G2 J23_Slot2.G4 J23_Slot2.G6 J23_Slot2.G8 J23_Slot2.I1 J23_Slot2.I3 J23_Slot2.I5 J23_Slot2.I7 J23_Slot2.J2 J23_Slot2.J4 J23_Slot2.J6 J23_Slot2.J8 J23_Slot2.L1 J23_Slot2.L3 J23_Slot2.L5 J23_Slot2.L7 J23_Slot3.A2 J23_Slot3.A4 J23_Slot3.A6 J23_Slot3.A8 J23_Slot3.C1 J23_Slot3.C3 J23_Slot3.C5 J23_Slot3.C7 J23_Slot3.D2 J23_Slot3.D4 J23_Slot3.D6 J23_Slot3.D8 J23_Slot3.F1 J23_Slot3.F3 J23_Slot3.F5 J23_Slot3.F7 J23_Slot3.G2 J23_Slot3.G4 J23_Slot3.G6 J23_Slot3.G8 J23_Slot3.I1 J23_Slot3.I3 J23_Slot3.I5 J23_Slot3.I7 J23_Slot3.J2 J23_Slot3.J4 J23_Slot3.J6 J23_Slot3.J8 J23_Slot3.L1 J23_Slot3.L3 J23_Slot3.L5 J23_Slot3.L7 J23_Slot4.A2 J23_Slot4.A4 J23_Slot4.A6 J23_Slot4.A8 J23_Slot4.C1 J23_Slot4.C3 J23_Slot4.C5 J23_Slot4.C7 J23_Slot4.D2 J23_Slot4.D4 J23_Slot4.D6 J23_Slot4.D8 J23_Slot4.F1 J23_Slot4.F3 J23_Slot4.F5 J23_Slot4.F7 J23_Slot4.G2 J23_Slot4.G4 J23_Slot4.G6 J23_Slot4.G8 J23_Slot4.I1 J23_Slot4.I3 J23_Slot4.I5 J23_Slot4.I7 J23_Slot4.J2 J23_Slot4.J4 J23_Slot4.J6 J23_Slot4.J8 J23_Slot4.L1 J23_Slot4.L3 J23_Slot4.L5 J23_Slot4.L7 J23_Slot5.A2 J23_Slot5.A4 J23_Slot5.A6 J23_Slot5.A8 J23_Slot5.C1 J23_Slot5.C3 J23_Slot5.C5 J23_Slot5.C7 J23_Slot5.D2 J23_Slot5.D4 J23_Slot5.D6 J23_Slot5.D8 J23_Slot5.F1 J23_Slot5.F3 J23_Slot5.F5 J23_Slot5.F7 J23_Slot5.G2 J23_Slot5.G4 J23_Slot5.G6 J23_Slot5.G8 J23_Slot5.I1 J23_Slot5.I3 J23_Slot5.I5 J23_Slot5.I7 J23_Slot5.J2 J23_Slot5.J4 J23_Slot5.J6 J23_Slot5.J8 J23_Slot5.L1 J23_Slot5.L3 J23_Slot5.L5 J23_Slot5.L7 J23_Slot6.A2 J23_Slot6.A4 J23_Slot6.A6 J23_Slot6.A8 J23_Slot6.C1 J23_Slot6.C3 J23_Slot6.C5 J23_Slot6.C7 J23_Slot6.D2 J23_Slot6.D4 J23_Slot6.D6 J23_Slot6.D8 J23_Slot6.F1 J23_Slot6.F3 J23_Slot6.F5 J23_Slot6.F7 J23_Slot6.G2 J23_Slot6.G4 J23_Slot6.G6 J23_Slot6.G8 J23_Slot6.I1 J23_Slot6.I3 J23_Slot6.I5 J23_Slot6.I7 J23_Slot6.J2 J23_Slot6.J4 J23_Slot6.J6 J23_Slot6.J8 J23_Slot6.L1 J23_Slot6.L3 J23_Slot6.L5 J23_Slot6.L7 J23_Slot7.A2 J23_Slot7.A4 J23_Slot7.A6 J23_Slot7.A8 J23_Slot7.C1 J23_Slot7.C3 J23_Slot7.C5 J23_Slot7.C7 J23_Slot7.D2 J23_Slot7.D4 J23_Slot7.D6 J23_Slot7.D8 J23_Slot7.F1 J23_Slot7.F3 J23_Slot7.F5 J23_Slot7.F7 J23_Slot7.G2 J23_Slot7.G4 J23_Slot7.G6 J23_Slot7.G8 J23_Slot7.I1 J23_Slot7.I3 J23_Slot7.I5 J23_Slot7.I7 J23_Slot7.J2 J23_Slot7.J4 J23_Slot7.J6 J23_Slot7.J8 J23_Slot7.L1 J23_Slot7.L3 J23_Slot7.L5 J23_Slot7.L7 J23_Slot8.A2 J23_Slot8.A4 J23_Slot8.A6 J23_Slot8.A8 J23_Slot8.C1 J23_Slot8.C3 J23_Slot8.C5 J23_Slot8.C7 J23_Slot8.D2 J23_Slot8.D4 J23_Slot8.D6 J23_Slot8.D8 J23_Slot8.F1 J23_Slot8.F3 J23_Slot8.F5 J23_Slot8.F7 J23_Slot8.G2 J23_Slot8.G4 J23_Slot8.G6 J23_Slot8.G8 J23_Slot8.I1 J23_Slot8.I3 J23_Slot8.I5 J23_Slot8.I7 J23_Slot8.J2 J23_Slot8.J4 J23_Slot8.J6 J23_Slot8.J8 J23_Slot8.L1 J23_Slot8.L3 J23_Slot8.L5 J23_Slot8.L7 J24_Slot1.A2 J24_Slot1.A4 J24_Slot1.A6 J24_Slot1.A8 J24_Slot1.C1 J24_Slot1.C3 J24_Slot1.C5 J24_Slot1.C7 J24_Slot1.D2 J24_Slot1.D4 J24_Slot1.D6 J24_Slot1.D8 J24_Slot1.F1 J24_Slot1.F3 J24_Slot1.F5 J24_Slot1.F7 J24_Slot1.G2 J24_Slot1.G4 J24_Slot1.G6 J24_Slot1.G8 J24_Slot1.I1 J24_Slot1.I3 J24_Slot1.I5 J24_Slot1.I7 J24_Slot1.J2 J24_Slot1.J4 J24_Slot1.J6 J24_Slot1.J8 J24_Slot1.L1 J24_Slot1.L3 J24_Slot1.L5 J24_Slot1.L7 J24_Slot2.A2 J24_Slot2.A4 J24_Slot2.A6 J24_Slot2.A8 J24_Slot2.C1 J24_Slot2.C3 J24_Slot2.C5 J24_Slot2.C7 J24_Slot2.D2 J24_Slot2.D4 J24_Slot2.D6 J24_Slot2.D8 J24_Slot2.F1 J24_Slot2.F3 J24_Slot2.F5 J24_Slot2.F7 J24_Slot2.G2 J24_Slot2.G4 J24_Slot2.G6 J24_Slot2.G8 J24_Slot2.I1 J24_Slot2.I3 J24_Slot2.I5 J24_Slot2.I7 J24_Slot2.J2 J24_Slot2.J4 J24_Slot2.J6 J24_Slot2.J8 J24_Slot2.L1 J24_Slot2.L3 J24_Slot2.L5 J24_Slot2.L7 J24_Slot3.A2 J24_Slot3.A4 J24_Slot3.A6 J24_Slot3.A8 J24_Slot3.C1 J24_Slot3.C3 J24_Slot3.C5 J24_Slot3.C7 J24_Slot3.D2 J24_Slot3.D4 J24_Slot3.D6 J24_Slot3.D8 J24_Slot3.F1 J24_Slot3.F3 J24_Slot3.F5 J24_Slot3.F7 J24_Slot3.G2 J24_Slot3.G4 J24_Slot3.G6 J24_Slot3.G8 J24_Slot3.I1 J24_Slot3.I3 J24_Slot3.I5 J24_Slot3.I7 J24_Slot3.J2 J24_Slot3.J4 J24_Slot3.J6 J24_Slot3.J8 J24_Slot3.L1 J24_Slot3.L3 J24_Slot3.L5 J24_Slot3.L7 J24_Slot4.A2 J24_Slot4.A4 J24_Slot4.A6 J24_Slot4.A8 J24_Slot4.C1 J24_Slot4.C3 J24_Slot4.C5 J24_Slot4.C7 J24_Slot4.D2 J24_Slot4.D4 J24_Slot4.D6 J24_Slot4.D8 J24_Slot4.F1 J24_Slot4.F3 J24_Slot4.F5 J24_Slot4.F7 J24_Slot4.G2 J24_Slot4.G4 J24_Slot4.G6 J24_Slot4.G8 J24_Slot4.I1 J24_Slot4.I3 J24_Slot4.I5 J24_Slot4.I7 J24_Slot4.J2 J24_Slot4.J4 J24_Slot4.J6 J24_Slot4.J8 J24_Slot4.L1 J24_Slot4.L3 J24_Slot4.L5 J24_Slot4.L7 J24_Slot5.A2 J24_Slot5.A4 J24_Slot5.A6 J24_Slot5.A8 J24_Slot5.C1 J24_Slot5.C3 J24_Slot5.C5 J24_Slot5.C7 J24_Slot5.D2 J24_Slot5.D4 J24_Slot5.D6 J24_Slot5.D8 J24_Slot5.F1 J24_Slot5.F3 J24_Slot5.F5 J24_Slot5.F7 J24_Slot5.G2 J24_Slot5.G4 J24_Slot5.G6 J24_Slot5.G8 J24_Slot5.I1 J24_Slot5.I3 J24_Slot5.I5 J24_Slot5.I7 J24_Slot5.J2 J24_Slot5.J4 J24_Slot5.J6 J24_Slot5.J8 J24_Slot5.L1 J24_Slot5.L3 J24_Slot5.L5 J24_Slot5.L7 J24_Slot6.A2 J24_Slot6.A4 J24_Slot6.A6 J24_Slot6.A8 J24_Slot6.C1 J24_Slot6.C3 J24_Slot6.C5 J24_Slot6.C7 J24_Slot6.D2 J24_Slot6.D4 J24_Slot6.D6 J24_Slot6.D8 J24_Slot6.F1 J24_Slot6.F3 J24_Slot6.F5 J24_Slot6.F7 J24_Slot6.G2 J24_Slot6.G4 J24_Slot6.G6 J24_Slot6.G8 J24_Slot6.I1 J24_Slot6.I3 J24_Slot6.I5 J24_Slot6.I7 J24_Slot6.J2 J24_Slot6.J4 J24_Slot6.J6 J24_Slot6.J8 J24_Slot6.L1 J24_Slot6.L3 J24_Slot6.L5 J24_Slot6.L7 J24_Slot7.A2 J24_Slot7.A4 J24_Slot7.A6 J24_Slot7.A8 J24_Slot7.C1 J24_Slot7.C3 J24_Slot7.C5 J24_Slot7.C7 J24_Slot7.D2 J24_Slot7.D4 J24_Slot7.D6 J24_Slot7.D8 J24_Slot7.F1 J24_Slot7.F3 J24_Slot7.F5 J24_Slot7.F7 J24_Slot7.G2 J24_Slot7.G4 J24_Slot7.G6 J24_Slot7.G8 J24_Slot7.I1 J24_Slot7.I3 J24_Slot7.I5 J24_Slot7.I7 J24_Slot7.J2 J24_Slot7.J4 J24_Slot7.J6 J24_Slot7.J8 J24_Slot7.L1 J24_Slot7.L3 J24_Slot7.L5 J24_Slot7.L7 J24_Slot8.A2 J24_Slot8.A4 J24_Slot8.A6 J24_Slot8.A8 J24_Slot8.C1 J24_Slot8.C3 J24_Slot8.C5 J24_Slot8.C7 J24_Slot8.D2 J24_Slot8.D4 J24_Slot8.D6 J24_Slot8.D8 J24_Slot8.F1 J24_Slot8.F3 J24_Slot8.F5 J24_Slot8.F7 J24_Slot8.G2 J24_Slot8.G4 J24_Slot8.G6 J24_Slot8.G8 J24_Slot8.I1 J24_Slot8.I3 J24_Slot8.I5 J24_Slot8.I7 J24_Slot8.J2 J24_Slot8.J4 J24_Slot8.J6 J24_Slot8.J8 J24_Slot8.L1 J24_Slot8.L3 J24_Slot8.L5 J24_Slot8.L7 NT2.2 R1.1 R2.1 R3.1 R4.1 R5.1 R6.1 R7.1 R8.1 R9.2 R10.2 R11.2 R12.2 R13.2 R14.2 R15.2 R16.2 R17.2 R18.2 R19.2 